# KiCad board Marble.kicad_pcb (continued)
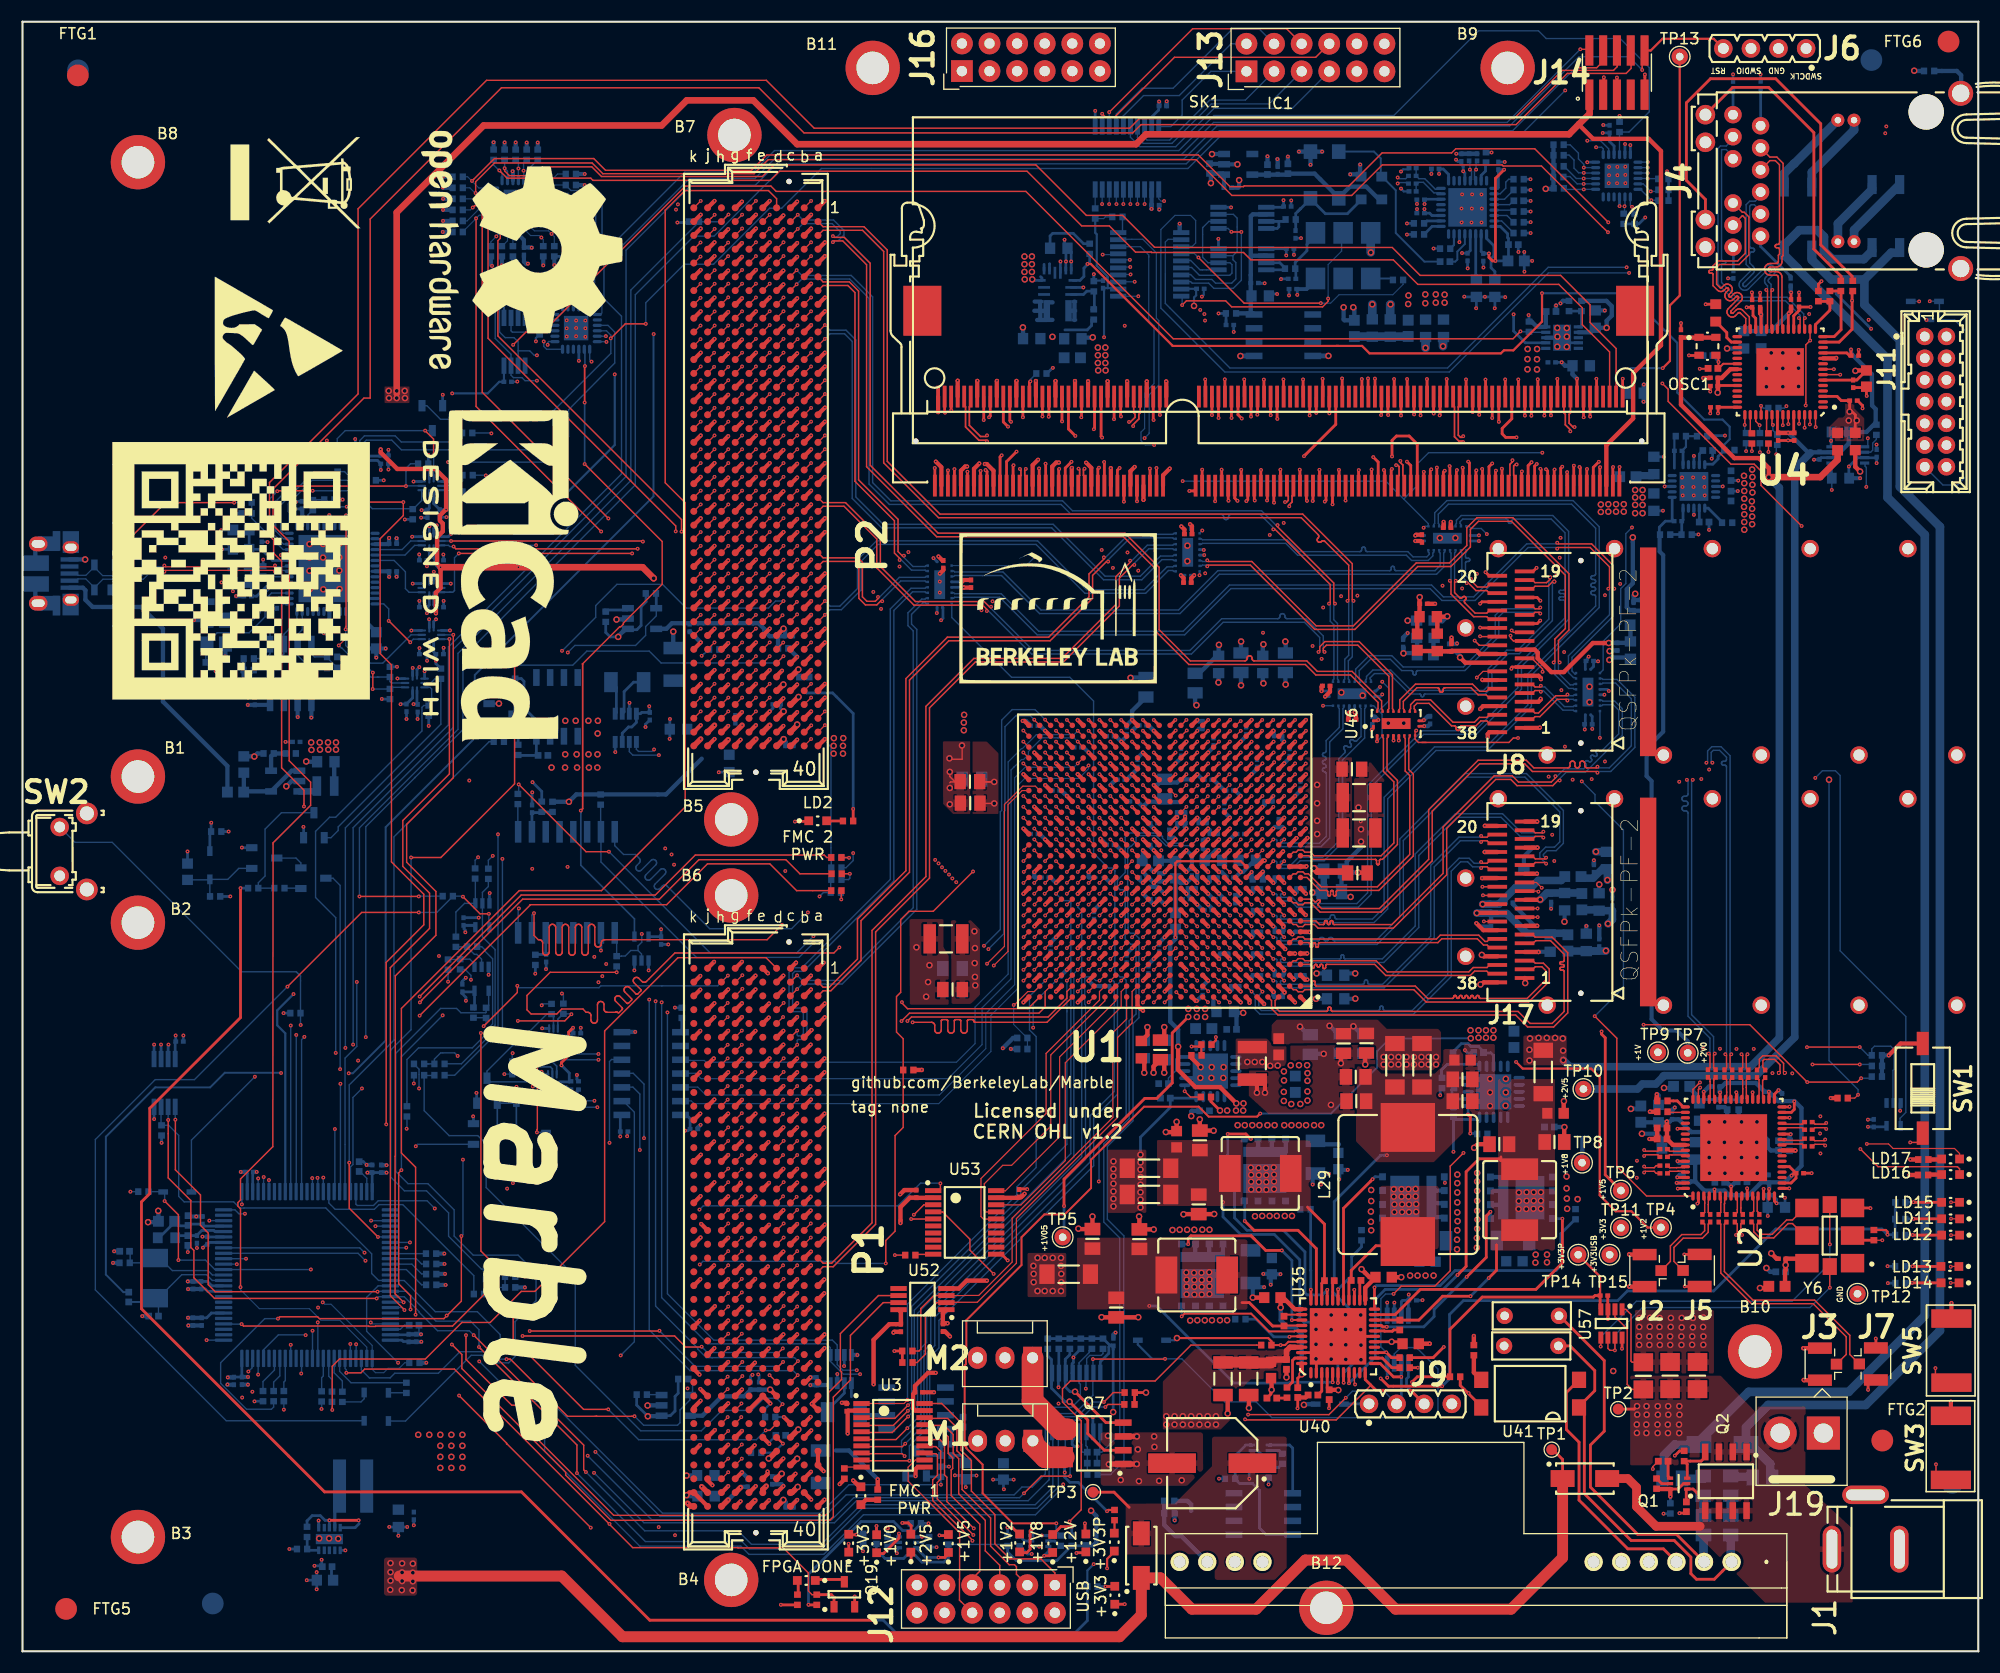
[diagram p0: board, top side]
## Routing (per net, layer and track width the routed paths; a pad name or vN(x,y) marks a point on that pad's centre or on a via; arc(x,y) is an arc through that point) (continued)
/FPGA/DDR3_DQS4_P: length 44.4
  Top w0.15: SK1.137 127.17,108.12 127.04,108.24 127.04,109.2 126.81,109.43 v1(126.81,109.57)
  Top w0.2: U1.AA5 v1(114.12,80.73)
  In4.Cu w0.1: 127.07,106.49 127.08,106.5 127.08,109.12 126.81,109.39 v1(126.81,109.57)
  In4.Cu w0.13: 127.07,106.49 126.76,106.18 126.7,106.13 126.62,106.09 126.54,106.07 126.45,106.07 126.37,106.09 126.29,106.13 126.23,106.18 126.09,106.31 126.08,106.33 126.06,106.33 126.05,106.34 126.03,106.34 126.01,106.33 125.99,106.33 125.98,106.31 125.83,106.16 125.82,106.15 125.81,106.13 125.8,106.12 125.8,106.1 125.81,106.08 125.82,106.06 125.83,106.05 126.11,105.76 126.11,105.76 126.38,105.49 126.42,105.43 126.45,105.37 126.47,105.29 126.47,105.22 126.45,105.14 126.42,105.08 126.38,105.02 126.12,104.77 126.07,104.72 126,104.69 125.93,104.67 125.85,104.67 125.78,104.69 125.71,104.72 125.65,104.77 125.1,105.32 125.09,105.33 125.07,105.34 125.05,105.34 125.03,105.34 125.01,105.34 125,105.33 124.98,105.32 124.83,105.17 124.82,105.16 124.81,105.14 124.81,105.12 124.81,105.1 124.81,105.08 124.82,105.07 124.83,105.05 125.39,104.5 125.43,104.44 125.46,104.38 125.48,104.3 125.48,104.23 125.46,104.15 125.43,104.09 125.39,104.03 125.13,103.78 125.08,103.73 125.01,103.7 124.94,103.68 124.86,103.68 124.79,103.7 124.72,103.73 124.66,103.78 124.11,104.33 124.1,104.34 124.08,104.35 124.06,104.35 124.04,104.35 124.02,104.35 124.01,104.34 123.99,104.33 123.84,104.18 123.83,104.17 123.82,104.15 123.82,104.13 123.82,104.11 123.82,104.09 123.83,104.08 123.84,104.06 124.4,103.51 124.44,103.45 124.47,103.39 124.49,103.31 124.49,103.24 124.47,103.17 124.44,103.1 124.4,103.04 124.14,102.79 124.09,102.74 124.02,102.71 123.95,102.69 123.87,102.69 123.8,102.71 123.73,102.74 123.67,102.79 123.12,103.34 123.11,103.35 123.09,103.36 123.07,103.36 123.05,103.36 123.03,103.36 123.02,103.35 123,103.34 122.85,103.19 122.84,103.18 122.83,103.16 122.83,103.14 122.83,103.12 122.83,103.1 122.84,103.09 122.85,103.07 122.98,102.94 123.04,102.88 123.07,102.8 123.09,102.72 123.09,102.63 123.07,102.55 123.04,102.47 122.98,102.4 120.21,99.63 117.14,96.56 117.14,88.56 114.77,86.18 114.77,81.38 v1(114.12,80.73)
/FPGA/DDR3_DQS5_N: length 39.7
  Top w0.15: SK1.152 131.67,114.67 131.79,114.54 131.79,111.8 132.2,111.4 132.5,111.4 v1(132.6,111.3)
  Top w0.2: 114.63,85.24 v1(115.11,85.73)
  In7.Cu w0.1: v1(132.6,111.3) 132.47,111.43 131.02,111.43 121.07,101.48 121.07,99.31 117.99,96.22 117.99,89.35 114.75,86.11 114.75,86.02 115.03,85.73 v1(115.11,85.73)
/FPGA/DDR3_DQS5_P: length 39.6
  Top w0.15: v1(132.6,111.85) 132.5,111.75 132.34,111.75 132.14,111.94 132.14,114.54 132.27,114.67 SK1.154
  Top w0.2: 113.62,85.24 113.62,85.26 v1(114.09,85.73)
  In7.Cu w0.1: v1(132.6,111.85) 132.47,111.72 130.9,111.72 120.78,101.6 120.78,99.43 117.7,96.34 117.7,89.47 114.46,86.23 114.46,86.03 114.16,85.73 v1(114.09,85.73)
/FPGA/DDR3_DQS6_N: length 48.4
  Top w0.15: SK1.169 136.77,108.12 136.89,108.24 136.89,109.26 137.13,109.49 v1(137.13,109.63)
  Top w0.2: U1.AC1 v1(118.12,82.73)
  In2.Cu w0.1: v1(118.12,82.73) 118.48,82.37 119.04,82.37 120.9,84.23 120.9,86.82 126.73,92.65 126.73,102.56 129.88,105.72 129.91,105.76 129.93,105.8 129.94,105.85 129.94,105.9 129.93,105.95 129.91,106 129.88,106.04 129.63,106.28 129.56,106.37 129.52,106.47 129.49,106.58 129.49,106.69 129.52,106.79 129.56,106.89 129.63,106.98 129.67,107.02 129.76,107.09 129.86,107.14 129.97,107.16 130.08,107.16 130.18,107.14 130.28,107.09 130.37,107.02 131.36,106.02 131.4,105.99 131.45,105.97 131.5,105.96 131.55,105.96 131.6,105.97 131.65,105.99 131.69,106.02 131.72,106.06 131.74,106.11 131.75,106.16 131.75,106.21 131.74,106.26 131.72,106.31 131.69,106.35 130.69,107.34 130.62,107.43 130.58,107.53 130.55,107.64 130.55,107.75 130.58,107.85 130.62,107.95 130.69,108.04 130.73,108.08 130.82,108.15 130.92,108.2 131.03,108.22 131.14,108.22 131.24,108.2 131.34,108.15 131.43,108.08 132.42,107.08 132.46,107.05 132.51,107.03 132.56,107.02 132.61,107.02 132.66,107.03 132.71,107.05 132.75,107.08 132.78,107.12 132.8,107.17 132.82,107.22 132.82,107.27 132.8,107.32 132.78,107.37 132.75,107.41 132.51,107.65 132.44,107.74 132.39,107.84 132.37,107.94 132.37,108.05 132.39,108.16 132.44,108.26 132.51,108.35 134.32,110.16 135.92,110.16 136.54,109.53 137.03,109.53 v1(137.13,109.63)
/FPGA/DDR3_DQS6_P: length 48.5
  Top w0.102: U1.AB1 117.62,81.23
  Top w0.15: v1(137.52,109.24) 137.38,109.24 137.24,109.11 137.24,108.24 137.37,108.12 SK1.171
  Top w0.2: 117.62,81.23 v1(118.11,81.71)
  In2.Cu w0.1: v1(118.11,81.71) 118.48,82.08 119.16,82.08 121.19,84.11 121.19,86.7 127.02,92.53 127.02,102.44 130.1,105.53 130.17,105.62 130.22,105.72 130.24,105.82 130.24,105.93 130.22,106.04 130.17,106.14 130.1,106.22 129.86,106.47 129.83,106.51 129.8,106.55 129.79,106.6 129.79,106.66 129.8,106.71 129.83,106.75 129.86,106.79 129.9,106.83 129.94,106.85 130,106.86 130.05,106.86 130.1,106.85 130.14,106.83 130.18,106.79 131.18,105.8 131.27,105.73 131.36,105.68 131.47,105.66 131.58,105.66 131.69,105.68 131.79,105.73 131.87,105.8 131.92,105.84 131.98,105.93 132.03,106.02 132.06,106.13 132.06,106.24 132.03,106.35 131.98,106.45 131.92,106.53 130.92,107.53 130.89,107.57 130.86,107.62 130.85,107.67 130.85,107.72 130.86,107.77 130.89,107.81 130.92,107.85 130.96,107.89 131.01,107.91 131.06,107.92 131.11,107.92 131.16,107.91 131.2,107.89 131.24,107.85 132.24,106.86 132.33,106.79 132.43,106.74 132.53,106.72 132.64,106.72 132.75,106.74 132.85,106.79 132.93,106.86 132.98,106.9 133.04,106.99 133.09,107.08 133.12,107.19 133.12,107.3 133.09,107.41 133.04,107.51 132.98,107.59 132.73,107.84 132.7,107.88 132.68,107.92 132.67,107.97 132.67,108.02 132.68,108.08 132.7,108.12 132.73,108.16 134.44,109.87 135.8,109.87 136.42,109.24 v1(137.52,109.24)
/FPGA/DDR3_DQS7_N: length 57.2
  Top w0.15: v1(142.45,112.3) 142.45,112.44 141.99,112.9 141.99,113.87 141.87,113.99 SK1.186
  Top w0.2: U1.W5 v1(114.12,78.73)
  In9.Cu w0.1: v1(142.45,112.3) 142.45,112.48 142.01,112.93 141.4,112.93 140.95,112.48 140.92,112.45 140.91,112.41 140.9,112.38 140.9,112.34 140.91,112.3 140.92,112.26 140.95,112.23 140.96,112.22 140.99,112.19 141,112.15 141.01,112.12 141.01,112.08 141,112.04 140.99,112 140.96,111.97 140.93,111.95 140.89,111.93 140.86,111.92 140.82,111.92 140.78,111.93 140.74,111.95 140.71,111.97 140.7,111.98 140.67,112.01 140.64,112.03 140.6,112.03 140.56,112.03 140.52,112.03 140.48,112.01 140.45,111.98 138.69,110.22 129.38,110.22 128.27,109.11 128.27,107.88 117.78,97.39 117.78,91.94 114.95,89.11 114.95,88.77 113.76,87.57 113.76,82.57 113.76,82.56 113.76,79.09 v1(114.12,78.73)
/FPGA/DDR3_DQS7_P: length 57.2
  Top w0.15: v1(142.84,112.69) 142.7,112.69 142.34,113.04 142.34,113.87 142.47,113.99 SK1.188
  Top w0.2: U1.W6 v1(113.12,78.73)
  In9.Cu w0.1: v1(142.84,112.69) 142.66,112.69 142.13,113.22 141.28,113.22 138.57,110.51 129.26,110.51 127.98,109.23 127.98,108 117.49,97.51 117.49,92.06 114.66,89.23 114.66,88.89 113.47,87.69 113.47,82.45 113.47,82.44 113.47,79.09 v1(113.12,78.73)
/FPGA/DDR3_ODT: length 38.9
  Top w0.254: U1.AB9 v1(110.12,81.73) ; SK1.116 120.87,112.94 v1(117.94,110.01)
  In2.Cu w0.135: v1(117.94,110.01) 117.94,106.13 117.78,105.96 117.78,102.1 111.02,95.34 111.02,88.89 110.46,88.33 110.46,82.07 v1(110.12,81.73)
/FPGA/DDR3_RAS_N: length 38.9
  Top w0.254: 111.64,81.24 v1(112.14,81.74) ; v1(119.07,114) 119.07,114 SK1.110
  In2.Cu w0.135: v1(119.07,114) 119.71,113.36 119.71,111.59 119.7,111.53 119.68,111.48 119.65,111.43 119.61,111.39 119.57,111.36 119.51,111.34 119.4,111.33 119.35,111.31 119.3,111.28 119.26,111.24 119.23,111.19 119.21,111.14 119.21,111.09 119.21,110.99 119.21,110.93 119.23,110.88 119.26,110.83 119.3,110.79 119.35,110.76 119.4,110.74 119.51,110.73 119.57,110.71 119.61,110.68 119.65,110.64 119.68,110.59 119.7,110.54 119.71,110.49 119.71,108.92 119.71,108.92 119.71,108.59 119.51,108.39 119.51,102.17 112.85,95.51 112.85,88.8 111.54,87.49 111.54,82.34 v1(112.14,81.74)
/FPGA/DDR3_RST_N: length 48.5
  Top w0.11: U1.Y12 v1(107.12,79.73)
  Top w0.254: v1(92.76,116.89) 92.67,116.8 SK1.30
  In9.Cu w0.135: v1(92.76,116.89) 95.01,114.65 97.88,114.65 100.59,111.93 100.59,105.07 105.33,100.33 105.33,80.56 105.93,79.96 106.64,79.96 106.87,79.73 v1(107.12,79.73)
  Bottom w0.135: v1(92.76,116.89) 92.76,117.06 93.28,117.58 93.28,117.66
/FPGA/DDR3_WE_N: length 39.1
  Top w0.254: v1(119.86,105.83) 119.97,105.94 SK1.113 ; U1.AF9 v1(110.12,85.73)
  In4.Cu w0.135: v1(119.86,105.83) 119.86,107.96 120.72,108.83 120.72,110.7 121.07,111.04 121.83,111.04 122.09,110.77 122.09,107.41 121.13,106.44 121.13,105.25 113.15,97.27 113.15,91.46 110.12,88.42 v1(110.12,85.73)
/FPGA/DXN_0: length 70.3
  Top w0.102: U1.R11 v1(108.12,74.73)
  Bottom w0.127: v1(108.12,74.73) 107.55,74.16 105.24,74.16 104.32,75.09 102.67,75.09 102.49,74.91 102.49,74.55 102.03,74.1 101.94,74.1 101.71,73.87 101.71,67.95 101.75,67.91 101.75,66.59 101.75,66.64 101.75,66.29 101.94,66.1 102.3,66.1 102.75,65.64 102.75,60.91 102.75,60.91 102.75,58.32 102.21,57.77 102.21,48.83 99.84,46.47 99.84,39.77 101.37,38.24 101.37,17.49 100.15,16.27 R129.1
/FPGA/DXP_0: length 71.4
  Top w0.102: U1.R12 v1(107.12,74.73)
  Bottom w0.127: C188.1 C189.1 ; C188.1 99.33,18.33 100.99,19.98 100.99,38.04 99.51,39.51 99.51,46.7 101.85,49.04 101.85,58.03 102.49,58.66 102.49,64.03 102.48,64.04 102.48,64.88 102.27,65.09 101.98,65.09 101.49,65.58 101.49,69.91 101.3,70.1 101.01,70.1 100.76,70.34 100.76,70.96 101.49,71.68 101.49,74.93 101.88,75.33 104.05,75.33 104.06,75.32 104.59,75.32 104.92,74.99 ; C188.1 99.15,18.58 99.15,20.2 ; 104.92,74.99 104.92,74.85 105.38,74.39 106.78,74.39 v1(107.12,74.73) ; 104.92,74.99 104.67,75.23
/FPGA/EXP_INT: length 235.8
  Top w0.127: 83.81,41.09 82.94,41.09 v1(82.03,40.18)
  In7.Cu w0.127: v1(82.03,40.18) 81.86,40.35 78.87,40.35 77.11,38.6 61.96,38.6 61.64,38.92 61.64,109.36 52.96,118.05 52.96,124.37 v1(51.97,125.36)
  Bottom w0.127: U34.22 146.98,139.84 R199.2 147.86,139.85 149.72,141.71 149.72,145.77 147.04,148.45 140.23,148.45 139.52,149.16 134.01,149.16 126.21,141.37 109.65,141.37 106.42,138.14 69.21,138.14 67.23,136.16 60.96,136.16 52.65,127.85 52.65,125.97 52.11,125.43 51.93,125.43 ; 51.93,125.43 51.93,125.3 51.2,124.57 U39.22 ; 51.93,125.43 51.93,125.4 v1(51.97,125.36)
/FPGA/FPGA_12_13/FPGA_MISO_T: length 63.1
  Top w0.102: U1.AC21 v1(97.12,81.73)
  Bottom w0.102: v1(97.12,81.73) 96.77,81.38 92.28,81.38 91.31,80.41 91.31,61.36 88.66,58.7 88.66,55.48 84.39,51.21 62.87,51.21 62.15,51.93 60.67,51.93
/FPGA/FPGA_12_13/FPGA_MOSI_T: length 64.1
  Top w0.102: v1(98.12,81.54) 97.81,81.23 U1.AB21
  Bottom w0.102: 60.67,50.66 61.55,50.66 61.8,50.41 84.33,50.41 89.13,55.21 89.13,58.54 91.61,61.03 91.61,79.72 92.24,80.34 97.22,80.34 98.12,81.24 v1(98.12,81.54)
/FPGA/FPGA_12_13/FPGA_SCK_T: length 63.3
  Top w0.11: v1(97.12,84.73) 97.12,84.73 U1.AE21
  Bottom w0.11: v1(97.12,84.73) 96.76,84.37 93.31,84.37 92.03,83.09 91.94,83.09 90.71,81.86 90.71,62.33 87.67,59.29 87.67,55.93 85.95,54.22 62.92,54.22 62.76,54.38 61.47,54.38
  Bottom w0.127: 61.47,54.38 60.76,54.38 60.67,54.47
/FPGA/FPGA_12_13/FPGA_SSEL_T: length 64
  Top w0.11: U1.AD21 97.12,83.73 v1(97.12,83.73)
  Bottom w0.11: 60.67,53.2 61.96,53.2 62.46,52.71 85.18,52.71 88.31,55.85 88.31,59.23 90.98,61.9 90.98,81.12 91.28,81.42 ; 91.28,81.42 91.94,82.08 92.12,82.08 92.58,82.54 92.58,82.82 93.85,84.09 95.29,84.09 95.3,84.08 96.77,84.08 v1(97.12,83.73) ; 91.28,81.42 91.23,81.38
/FPGA/FPGA_14_15/CFG_D02: length 78.4
  Top w0.127: v1(81.44,58.01) 81.82,58.39 94.39,58.39 96.12,60.12 96.12,60.73 U1.B22 ; v1(54.68,62.5) 48.56,62.5 46.43,60.37 46.43,59.05 46.81,58.66 49.17,58.66 49.63,59.12 51.58,59.12 51.86,58.82 52.02,58.82 52.08,58.81 52.15,58.79 52.2,58.75 52.25,58.7 52.29,58.65 52.31,58.58 52.32,58.52 52.32,58.12 52.32,58.05 52.35,57.99 52.38,57.93 52.43,57.88 52.49,57.85 52.55,57.82 52.62,57.82 52.68,57.82 52.75,57.85 52.8,57.88 52.85,57.93 52.89,57.99 52.91,58.05 52.92,58.12 52.92,59.52 52.92,59.58 52.95,59.65 52.98,59.7 53.03,59.75 53.09,59.79 53.15,59.81 53.22,59.82 53.28,59.81 53.35,59.79 53.4,59.75 53.45,59.7 53.49,59.65 53.51,59.58 53.52,59.52 53.52,59.12 53.52,59.05 53.55,58.99 53.58,58.93 53.63,58.88 53.69,58.85 53.75,58.82 53.82,58.82 54.58,58.82 54.6,58.83 54.63,58.85 54.66,58.85 54.68,58.85 54.71,58.85 54.74,58.83 54.78,58.8 54.81,58.79 54.83,58.78 54.86,58.78 54.89,58.79 54.91,58.8 54.94,58.82 55.18,59.06 55.2,59.09 55.21,59.11 55.22,59.14 55.22,59.17 55.21,59.19 55.2,59.22 55.18,59.24 54.6,59.82 54.56,59.88 54.53,59.94 54.51,60 54.51,60.07 54.53,60.14 54.56,60.2 54.6,60.25 54.65,60.29 54.71,60.32 54.78,60.33 54.85,60.33 54.91,60.32 54.97,60.29 55.02,60.25 55.61,59.67 55.63,59.65 55.65,59.64 55.68,59.63 55.71,59.63 55.74,59.64 55.76,59.65 55.78,59.67 56.03,59.91 56.05,59.93 56.06,59.96 56.07,59.99 56.07,60.02 56.06,60.04 56.05,60.07 56.03,60.09 55.45,60.67 55.41,60.73 55.38,60.79 55.36,60.85 55.36,60.92 55.38,60.98 55.41,61.04 55.45,61.1 55.5,61.14 55.56,61.17 55.63,61.18 55.69,61.18 55.76,61.17 55.82,61.14 55.87,61.1 56.46,60.51 56.48,60.5 56.5,60.48 56.53,60.48 56.56,60.48 56.59,60.48 56.61,60.5 56.63,60.51 56.88,60.76 56.9,60.78 56.91,60.81 56.92,60.84 56.92,60.86 56.91,60.89 56.9,60.92 56.88,60.94 56.3,61.52 56.25,61.57 56.23,61.63 56.21,61.7 56.21,61.77 56.23,61.83 56.25,61.89 56.3,61.95 56.35,61.99 56.41,62.02 56.48,62.03 56.54,62.03 56.61,62.02 56.67,61.99 56.72,61.95 57,61.66 57.06,61.62 57.12,61.59 57.18,61.58 57.25,61.58 57.31,61.59 57.38,61.62 57.43,61.66 60.04,64.28 74.67,64.28 v1(75.18,64.79)
  In9.Cu w0.127: v1(81.44,58.01) 81.44,58.53 v1(75.18,64.79)
  Bottom w0.127: R209.1 v1(54.68,62.5)
/FPGA/FPGA_14_15/CFG_D03: length 80
  Top w0.127: v1(53.97,73.6) 51.86,73.6 v1(45.67,79.8) ; U1.A22 94.29,57.9 87.68,57.9 87.65,57.9 87.63,57.91 87.6,57.92 87.59,57.94 87.57,57.97 87.56,57.99 87.55,58.05 87.55,58.07 87.53,58.1 87.51,58.12 87.49,58.13 87.46,58.14 87.43,58.14 87.08,58.14 87.05,58.14 87.03,58.13 87,58.12 86.99,58.1 86.97,58.07 86.96,58.05 86.96,58.02 86.96,57.2 86.95,57.13 86.93,57.07 86.89,57.01 86.84,56.96 86.79,56.93 86.72,56.9 86.66,56.9 86.59,56.9 86.53,56.93 86.47,56.96 86.42,57.01 86.39,57.07 86.37,57.13 86.36,57.2 86.36,58.02 86.35,58.05 86.35,58.07 86.33,58.1 86.31,58.12 86.29,58.13 86.26,58.14 86.23,58.14 85.88,58.14 85.85,58.14 85.83,58.13 85.8,58.12 85.79,58.1 85.77,58.07 85.76,58.05 85.76,58.02 85.76,57.2 85.75,57.13 85.73,57.07 85.69,57.01 85.64,56.96 85.59,56.93 85.52,56.9 85.46,56.9 85.39,56.9 85.33,56.93 85.27,56.96 85.22,57.01 85.19,57.07 85.17,57.13 85.16,57.2 85.16,58.02 85.15,58.05 85.15,58.07 85.13,58.1 85.11,58.12 85.09,58.13 85.06,58.14 85.03,58.14 84.68,58.14 84.65,58.14 84.63,58.13 84.6,58.12 84.59,58.1 84.57,58.07 84.56,58.05 84.56,58.02 84.56,57.2 84.55,57.13 84.53,57.07 84.49,57.01 84.44,56.96 84.39,56.93 84.32,56.9 84.26,56.9 84.19,56.9 84.13,56.93 84.07,56.96 84.02,57.01 83.99,57.07 83.97,57.13 83.96,57.2 83.96,57.6 83.95,57.66 83.93,57.73 83.89,57.78 83.84,57.83 83.79,57.87 83.72,57.89 83.66,57.9 v1(81.92,57.9)
  In9.Cu w0.127: v1(72.79,65.83) 73.48,65.17 73.48,64.58 72.74,63.85 70.48,63.85 68.98,62.35 68.98,60.57 69.26,60.29 75.74,60.29 78.36,57.67 80.21,57.67 80.28,57.6 81.63,57.6 v1(81.92,57.9)
  Bottom w0.127: v1(72.79,65.83) 71.24,64.28 63.29,64.28 v1(53.97,73.6) ; R210.1 45.67,79 v1(45.67,79.8)
/FPGA/FPGA_14_15/CFG_DIN: length 80
  Top w0.127: U1.A25 92.54,59.15 81.45,59.15 80.94,59.67 v1(80.94,59.75)
  In9.Cu w0.127: v1(80.94,59.75) 80.94,61.57 80.61,61.89 80.56,61.94 80.5,61.97 80.43,61.98 80.37,61.98 80.3,61.97 80.24,61.94 80.19,61.89 79.89,61.6 79.84,61.56 79.78,61.53 79.71,61.51 79.65,61.51 79.58,61.53 79.52,61.56 79.47,61.6 79.43,61.65 79.4,61.71 79.38,61.78 79.38,61.84 79.4,61.91 79.43,61.97 79.47,62.02 80.49,63.04 80.53,63.09 80.56,63.15 80.57,63.22 80.57,63.29 80.56,63.35 80.53,63.41 80.49,63.46 80.43,63.51 80.37,63.53 80.31,63.55 80.24,63.55 80.17,63.53 80.11,63.51 80.06,63.46 79.04,62.45 78.99,62.4 78.93,62.37 78.86,62.36 78.8,62.36 78.73,62.37 78.67,62.4 78.62,62.45 78.58,62.5 78.55,62.56 78.53,62.62 78.53,62.69 78.55,62.76 78.58,62.82 78.62,62.87 79.64,63.89 79.68,63.94 79.71,64 79.72,64.07 79.72,64.13 79.71,64.2 79.68,64.26 79.64,64.31 79.58,64.35 79.52,64.38 79.46,64.4 79.39,64.4 79.33,64.38 79.27,64.35 79.21,64.31 78.19,63.29 78.14,63.25 78.08,63.22 78.02,63.21 77.95,63.21 77.88,63.22 77.82,63.25 77.77,63.29 77.73,63.35 77.7,63.41 77.68,63.47 77.68,63.54 77.7,63.61 77.73,63.67 77.77,63.72 78.79,64.74 78.83,64.79 78.86,64.85 78.87,64.92 78.87,64.98 78.86,65.05 78.83,65.11 78.79,65.16 78.74,65.2 78.68,65.23 78.61,65.25 78.54,65.25 78.48,65.23 78.42,65.2 78.36,65.16 77.35,64.14 77.29,64.1 77.23,64.07 77.17,64.06 77.1,64.06 77.04,64.07 76.97,64.1 76.92,64.14 76.88,64.2 76.85,64.26 76.84,64.32 76.84,64.39 76.85,64.45 76.88,64.51 76.92,64.57 77.94,65.58 77.98,65.64 78.01,65.7 78.03,65.76 78.03,65.83 78.01,65.9 77.98,65.96 77.94,66.01 77.89,66.05 77.83,66.08 77.76,66.1 77.69,66.1 77.63,66.08 77.57,66.05 77.52,66.01 76.5,64.99 76.45,64.95 76.38,64.92 76.32,64.91 76.25,64.91 76.19,64.92 76.13,64.95 76.07,64.99 76.03,65.04 76,65.1 75.99,65.17 75.99,65.24 76,65.3 76.03,65.36 76.07,65.42 77.09,66.43 77.13,66.49 77.16,66.55 77.18,66.61 77.18,66.68 77.16,66.74 77.13,66.81 77.09,66.86 77.04,66.9 76.98,66.93 76.91,66.94 76.85,66.94 76.78,66.93 76.72,66.9 76.67,66.86 75.65,65.84 75.6,65.8 75.54,65.77 75.47,65.75 75.4,65.75 75.34,65.77 75.28,65.8 75.23,65.84 75.18,65.89 75.15,65.95 75.14,66.02 75.14,66.09 75.15,66.15 75.18,66.21 75.23,66.26 76.24,67.28 76.28,67.33 76.31,67.4 76.33,67.46 76.33,67.53 76.31,67.59 76.28,67.65 76.24,67.71 76.19,67.75 76.13,67.78 76.06,67.79 76,67.79 75.93,67.78 75.87,67.75 75.82,67.71 74.8,66.69 74.75,66.65 74.69,66.62 74.62,66.6 74.56,66.6 74.49,66.62 74.43,66.65 74.38,66.69 74.33,66.74 74.31,66.8 74.29,66.87 74.29,66.93 74.31,67 74.33,67.06 74.38,67.11 74.67,67.41 74.72,67.46 74.74,67.52 74.76,67.59 74.76,67.66 74.74,67.72 74.72,67.78 74.67,67.83 74.5,68.01 v1(72.29,68.01)
  Bottom w0.127: v1(72.29,68.01) 70.79,66.51 63.24,66.51 59.31,70.44 59.26,70.49 59.2,70.52 59.13,70.53 59.07,70.53 59,70.52 58.94,70.49 58.89,70.44 58.66,70.21 58.6,70.17 58.54,70.14 58.48,70.13 58.41,70.13 58.35,70.14 58.28,70.17 58.23,70.21 58.19,70.27 58.16,70.33 58.15,70.39 58.15,70.46 58.16,70.52 58.19,70.58 58.23,70.64 59.12,71.52 59.16,71.58 59.19,71.64 59.2,71.7 59.2,71.77 59.19,71.84 59.16,71.9 59.12,71.95 59.07,71.99 59.01,72.02 58.94,72.03 58.87,72.03 58.81,72.02 58.75,71.99 58.69,71.95 57.81,71.06 57.76,71.02 57.69,70.99 57.63,70.98 57.56,70.98 57.5,70.99 57.44,71.02 57.38,71.06 57.34,71.11 57.31,71.17 57.3,71.24 57.3,71.31 57.31,71.37 57.34,71.43 57.38,71.49 58.27,72.37 58.31,72.43 58.34,72.49 58.36,72.55 58.36,72.62 58.34,72.68 58.31,72.74 58.27,72.8 58.22,72.84 58.16,72.87 58.09,72.88 58.02,72.88 57.96,72.87 57.9,72.84 57.85,72.8 56.96,71.91 56.91,71.87 56.85,71.84 56.78,71.82 56.71,71.82 56.65,71.84 56.59,71.87 56.53,71.91 56.49,71.96 56.46,72.02 56.45,72.09 56.45,72.16 56.46,72.22 56.49,72.28 56.53,72.33 56.77,72.57 56.81,72.62 56.84,72.68 56.85,72.74 56.85,72.81 56.84,72.88 56.81,72.94 56.77,72.99 56.41,73.35 55.32,73.35 54.51,74.16 U30.8
/FPGA/FPGA_14_15/CFG_FCS: length 82.4
  Top w0.102: U1.C23 v1(95.12,61.73)
  In9.Cu w0.127: v1(72.79,65.19) 71.98,64.38 68.93,64.38 68.45,64.86 63.42,64.86 62.02,63.47 62.02,60.09 63.27,58.84 75.89,58.84 77.51,57.22 92.84,57.22 v1(93.02,57.4)
  Bottom w0.127: R223.2 53.21,75.46 U30.7 53.24,72.66 62.02,63.87 71.47,63.87 v1(72.79,65.19) ; v1(95.12,61.73) 93.02,59.63 v1(93.02,57.4)
/FPGA/FPGA_14_15/CFG_MOSI: length 80
  Top w0.102: U1.B24 94.12,60.73
  Top w0.127: v1(69.9,66.87) 68.53,65.5 53.57,65.5 53.5,65.49 53.44,65.47 53.38,65.43 53.34,65.38 53.3,65.33 53.28,65.26 53.27,65.2 53.27,65.12 53.26,65.06 53.24,64.99 53.21,64.94 53.16,64.89 53.1,64.85 53.04,64.83 52.97,64.82 52.9,64.83 52.84,64.85 52.78,64.89 52.74,64.94 52.7,64.99 52.68,65.06 52.67,65.12 52.67,66.62 52.66,66.69 52.64,66.75 52.61,66.81 52.56,66.85 52.5,66.89 52.44,66.91 52.37,66.92 52.3,66.91 52.24,66.89 52.18,66.85 52.14,66.81 52.1,66.75 52.08,66.69 52.07,66.62 52.07,64.37 52.06,64.31 52.04,64.24 52.01,64.19 51.96,64.14 51.9,64.1 51.84,64.08 51.77,64.07 51.7,64.08 51.64,64.1 51.58,64.14 51.54,64.19 51.5,64.24 51.48,64.31 51.47,64.37 51.47,66.62 51.46,66.69 51.44,66.75 51.41,66.81 51.36,66.85 51.3,66.89 51.24,66.91 51.17,66.92 51.1,66.91 51.04,66.89 50.98,66.85 50.94,66.81 50.9,66.75 50.88,66.69 50.87,66.62 50.87,64.37 50.86,64.31 50.84,64.24 50.81,64.19 50.76,64.14 50.7,64.1 50.64,64.08 50.57,64.07 50.5,64.08 50.44,64.1 50.38,64.14 50.34,64.19 50.3,64.24 50.28,64.31 50.27,64.37 50.27,66.62 50.26,66.69 50.24,66.75 50.21,66.81 50.16,66.85 50.1,66.89 50.04,66.91 49.97,66.92 49.9,66.91 49.84,66.89 49.78,66.85 49.74,66.81 49.7,66.75 49.68,66.69 49.67,66.62 49.67,64.37 49.66,64.31 49.64,64.24 49.61,64.19 49.56,64.14 49.5,64.1 49.44,64.08 49.37,64.07 49.3,64.08 49.24,64.1 49.18,64.14 49.14,64.19 49.1,64.24 49.08,64.31 49.07,64.37 49.07,66.62 49.06,66.69 49.04,66.75 49.01,66.81 48.96,66.85 48.9,66.89 48.84,66.91 48.77,66.92 48.7,66.91 48.64,66.89 48.58,66.85 48.54,66.81 48.5,66.75 48.48,66.69 48.47,66.62 48.47,64.37 48.46,64.31 48.44,64.24 48.41,64.19 48.36,64.14 48.3,64.1 48.24,64.08 48.17,64.07 48.1,64.08 48.04,64.1 47.98,64.14 47.94,64.19 47.9,64.24 47.88,64.31 47.87,64.37 47.87,65.2 47.86,65.26 47.84,65.33 47.81,65.38 47.76,65.43 47.7,65.47 47.64,65.49 47.57,65.5 47.47,65.5 47.07,65.89 v1(47.07,67.94) ; 94.12,60.73 94.12,59.31 93.55,58.74 81.63,58.74 v1(80.9,58.01)
  In9.Cu w0.127: v1(69.9,66.87) 72.61,66.87 74.56,64.91 74.56,64.17 79.72,59.01 79.9,59.01 v1(80.9,58.01)
  Bottom w0.127: v1(47.07,67.94) 46.89,67.76 U30.15
/FPGA/FPGA_14_15/CFG_PUDC: length 7.7
  Top w0.102: U1.B25 93.12,60.73 92.52,60.73 91.29,59.49 v1(91.23,59.49)
  Bottom w0.102: R222.1 R221.2 92.47,56.46 91.22,57.7 91.22,59.48 v1(91.23,59.49)
/FPGA/FPGA_14_15/CFG_WP: length 200.6
  Top w0.127: SW1.1 174.89,46.84 v1(173.73,46.84)
  In2.Cu w0.127: v1(56.99,66.03) 56.82,65.86 56.82,56.13 57.91,55.04 57.91,24.18 58.54,23.54 58.54,11.44 v1(58.55,11.43)
  In4.Cu w0.127: v1(58.55,11.43) 77.85,11.43 79.04,10.24 79.98,11.18 83.13,11.18 84.5,9.8 87.56,9.8 87.73,9.97 96.47,9.97 98.12,11.61 98.12,11.7 103.43,17.01 103.43,22.05 106.4,25.01 113.79,25.01 114.84,26.06 118.71,26.06 119.17,25.6 142.16,25.6 148.3,31.74 159.45,31.74 165.95,38.24 165.95,38.69 166.18,38.91 166.63,38.91 173.73,46.02 v1(173.73,46.84)
  Bottom w0.127: v1(56.99,66.03) 56.99,65.27 56.65,64.92 56.65,64.51 ; U30.9 54.68,65.95 R209.2 55.12,63.99 55.13,64 55.47,64 55.98,64.51 56.65,64.51 ; 56.65,64.51 56.97,64.19 U11.2
/FPGA/FPGA_14_15/EXP_INT_T: length 22.9
  Top w0.102: U1.A18 100.62,59.88 95.45,54.71 95.45,47.37 90.46,42.39 89.61,42.39
  Top w0.11: 100.64,60.21 100.62,60.21
/FPGA/FPGA_14_15/FPGA_INT_T: length 26.5
  Top w0.102: 89.61,41.09 91.89,41.09 95.97,45.16 95.97,54.17 101.11,59.31 101.11,60.72 U1.B17
/FPGA/FPGA_14_15/FPGA_XR_GPIO_0_T: length 25.9
  Top w0.102: U1.A19 99.62,59.88 94.64,54.89 94.64,48.34 91.03,44.73 90.22,44.73 88.52,43.03 88.52,40.59 88.67,40.44 89.61,40.44
  Top w0.11: 99.65,60.22 99.62,60.22
/FPGA/FPGA_14_15/I2C_FPGA_SW_RST_T: length 27.4
  Top w0.11: U1.B19 99.12,60.73 99.12,59.95 94.21,55.03 94.21,49.51 88.21,43.51 88.21,40.02 88.45,39.79 89.61,39.79
/FPGA/FPGA_14_15/I2C_SCL: length 45.6
  Top w0.11: U52.2 85.06,32.13 87.88,32.13 91.48,35.73 91.48,39.83 100.78,49.14 100.78,56.49 102.12,57.83 102.12,60.73 U1.B16
  Top w0.127: R1.2 82.33,26.58 83.1,27.34 83.1,31.04 84.15,32.09 U52.2
/FPGA/FPGA_14_15/I2C_SDA: length 43.5
  Top w0.102: U1.A17 101.62,58.2 100.35,56.94 100.35,49.14 91.08,39.87 91.08,35.83 88.01,32.76 86.74,32.76 86.73,32.74 U52.3
  Top w0.127: R2.2 82.51,27.64 82.67,27.81 82.67,31.55 83.87,32.74 U52.3
/FPGA/FPGA_33_34/CLK20_VCXO_T: length 56.4
  Top w0.102: U1.W11 107.62,78.23 v1(108.09,78.69)
  In9.Cu w0.102: v1(108.09,78.69) 107.48,79.31 107.48,79.86 107,80.33 106.85,80.33 106.47,80.71 106.47,95.39 105.6,96.27 105.6,108.17 103.63,110.14 103.63,116.57 103.8,116.74 103.8,119.8 102.23,121.38
  In9.Cu w0.112: v1(99.41,128.56) 100.85,127.13 100.85,121.83 101.31,121.38 102.23,121.38
  Bottom w0.112: v1(99.41,128.56) 100.72,128.56 100.83,128.68
/FPGA/FPGA_33_34/DDR_REF_CLK_C_N: length 67.2
  Top w0.127: U1.AD9 109.62,83.23
  Top w0.13: 109.62,83.23 v1(110.12,83.73)
  In7.Cu w0.1: v1(126.57,135.11) 126.44,135.24 120.75,135.24 108.77,123.27 v1(108.77,123.09)
  In9.Cu w0.1: v1(108.77,123.09) 108.6,123.09 107.89,122.38 107.89,111.53 109.57,109.85 109.57,108.57 109.11,108.11 109.11,104.14 109.82,103.43 109.82,94.52 109.13,93.83 109.13,88.54 109.74,87.93 109.74,83.62 109.99,83.37 110.05,83.37 110.12,83.44 v1(110.12,83.73)
  Bottom w0.13: 127.56,135.04 127.48,135.04 127.33,135.19 126.65,135.19 v1(126.57,135.11)
/FPGA/FPGA_33_34/DDR_REF_CLK_C_P: length 68.2
  Top w0.127: U1.AC9 109.63,82.23
  Top w0.13: 109.63,82.23 v1(110.12,82.72)
  In7.Cu w0.1: v1(108.39,123.47) 108.57,123.47 120.63,135.53 126.44,135.53 v1(126.57,135.66)
  In9.Cu w0.1: v1(108.39,123.47) 108.39,123.3 107.6,122.5 107.6,111.41 109.28,109.73 109.28,108.69 108.82,108.23 108.82,104.02 109.53,103.31 109.53,94.64 108.84,93.95 108.84,88.42 109.45,87.81 109.45,83.5 109.87,83.08 110.05,83.08 110.12,83.01 v1(110.12,82.72)